# Altium PCB MAIN_BOARD.PcbDoc (part 2 of 4) (continued)
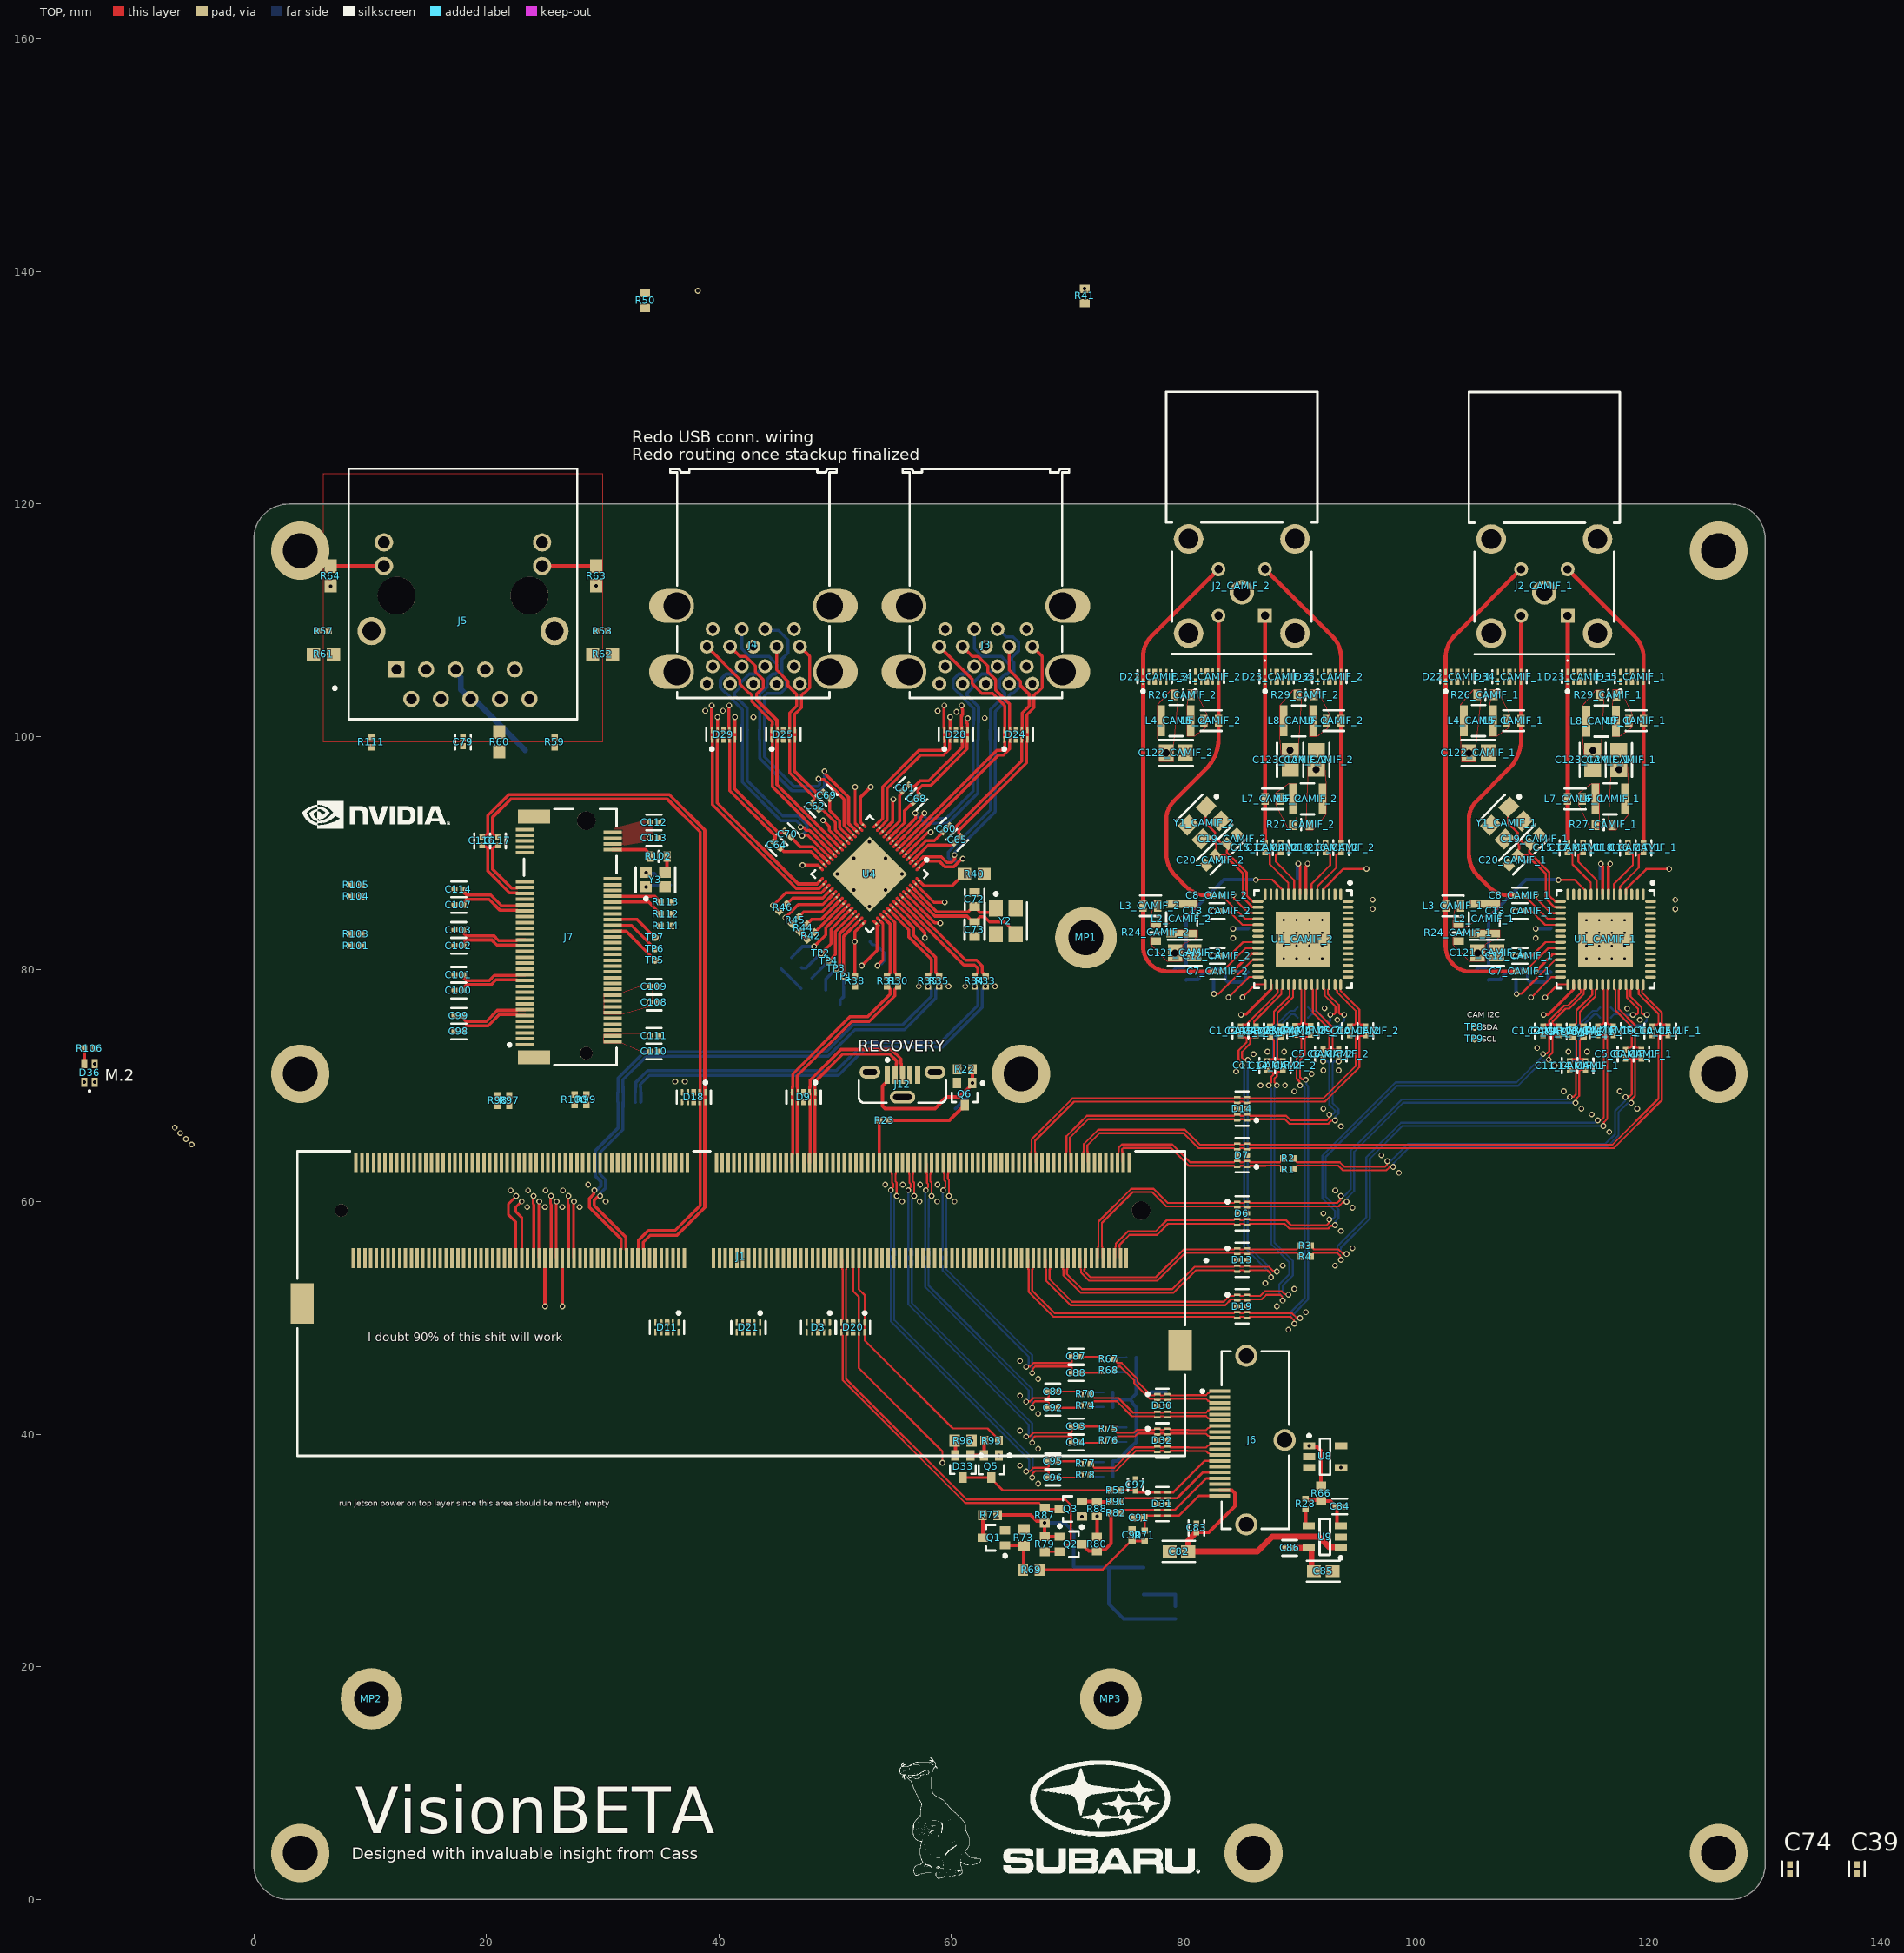
[diagram p0: TOP view]
## Part data (continued)
D33: library part CMP-1055-00557-1, "Dual Series Cathode Schottky Barrier Diodes, 3-Pin SOT-323, Pb-Free, Tape and Reel", Manufacturer="On Semiconductor", ComponentLink1Description="Manufacturer URL", ComponentLink1URL=http://www.onsemi.com/, ComponentLink2Description=Datasheet, ComponentLink2URL=http://www.onsemi.cn/pub_link/Collateral/BAT54CWT1-D.PDF, ComponentLink3Description="Package Specification", ComponentLink3URL=http://www.onsemi.com/pub_link/Collateral/419-04.PDF, Configuration="Common Cathode", DatasheetVersion="Rev. 7", IFSM Max (A)=0.6, Mounting Technology="Surface Mount", PackageDescription="3-Pin Small Outline Transistor, Body 2 x 1.25 mm, Pitch 0.65 mm", PackageReference=SOT-323-3-419-04, PackageVersion="Rev. N, 11/2008", Packing="Tape and Reel", PartNumber=BAT54CWT1G, RoHS=TRUE, trr Max (ns)=5
D36: library part CMP-004-00034-2, "Led, Red/Grn, 180Mcd/230Mcd, 624Nm/525Nm Rohs Compliant: Yes"
FB1 FB2 FB3 FB4 FB5 FB6 FB7 FB8: library part CMP-0686-00252-4, "Chip Ferrite Bead, 0402, 600Ω @ 100MHz, 0.23Ω, 25%, 900mA", Case Code (Imperial)=0402, Case Code (Metric)=1005, Current Rating=900mA, DC Resistance (DCR)=230mR, Max Operating Temperature=125°C, Min Operating Temperature=-55°C, Package Quantity=10000, Test Frequency=100MHz, Tolerance=25%, Case/Package=0402, Height=0.5mm, Impedance=600R, Lead Free="Lead Free", Length=1mm, Material=Steel, Max Current Rating=900mA, Max DC Current=900mA, Number of Circuits=1, Number of Lines=1, Number of Pins=2, Packaging="Tape and Reel", Termination=SMD/SMT, Width=0.5mm
J1: library part CMP-03356-000001-1, "DDR4 SODIMM 260P 9.2H STD", Current Rating=0.5A, Manufacturer="TE Connectivity", Package=0, Temperature="-55°C to +85°C", Temperature Range High=+85°C, Temperature Range Low=-55°C, Voltage Rating=25V, Automotive=No, Category=Conn, ComponentLink2Description=Datasheet, ComponentLink2URL=https://www.te.com/commerce/DocumentDelivery/DDEController?Action=showdoc&DocId=Specification+Or+Standard%7F108-115122%7FA1%7Fpdf%7FEnglish%7FENG_SS_108-115122_A1.pdf%7F2309413-1, Conn Orientation=Horizontal, Contact Material=Gold,Nickel, Device Class L1=Connectors, Device Class L2="Memory Connectors", Device Class L3=unset, Digikey Description="DDR4 SODIMM 260P 9.2H STD", Footprint Url=https://www.te.com/commerce/DocumentDelivery/DDEController?Action=showdoc&DocId=Customer+Drawing%7F2309413%7F4%7Fpdf%7FEnglish%7FENG_CD_2309413_4.pdf%7F2309413-1, Height=18.8mm, Is Female=yes, Lead Free=Yes, Manufacturer Part Number=2309413-1, Memory Type=SDRAM,DDR, Mouser Description="Conn DDR4 DIMM Socket SKT 260 POS 0.5mm Solder RA SMD T/R", Number of Contacts=260, Octopart=https://octopart.com/2309413-1-te+connectivity-84799194, Pitch=0.5mm, RoHS=TRUE
J2_CAMIF_1 J2_CAMIF_2: library part CMP-002-00085-1, "Connector RF Mini-FAKRA Plug 9GHz 50Ohm Solder Right Angle Through Hole"
J3 J4: library part CMP-1502-03222-3, Color=Blue, Contact Resistance=50mΩ, Current Rating=1.8A, Flammability Rating="UL94 V-0", Insulation Resistance=100MΩ, Max Operating Temperature=85°C, Min Operating Temperature=-40°C, Operating Supply Voltage=30V, Connector Type=USB, Contact Material="Bronze, Gold, Nickel", Contact Plating=Gold, Features=Shielded, Gender=Receptacle, Height=16.335mm, Lead Free="Lead Free", Length=15.59mm, Mount="Horizontal, Through Hole", NexarPartId=19667819, Number of Contacts=18, Number of Pins=18, Number of Ports=2, Orientation="Right Angle", REACH SVHC=Unknown, RoHS=Compliant, Termination="Through Hole", Usb Standard="USB 3.0", Voltage Rating=30V, Voltage Rating (AC)=30V, Width=19.7mm
J5: library part CMP-27893-000001-1, "RJ45 JACK W/MAG 1X1 1000BASE-T", Manufacturer=Abracon, Package=0, Temperature="-40°C to +85°C", Temperature Range High=+85°C, Temperature Range Low=-40°C, Automotive=No, Category=Conn, ComponentLink2Description=Datasheet, ComponentLink2URL=https://abracon.com/Magnetics/ARJM11.pdf, Conn Gender=Female, Conn Orientation="Right Angle", Contact Material=Gold, Device Class L1=Connectors, Device Class L2="Modular / Ethernet Connectors", Device Class L3=unset, Digikey Description="RJ45 JACK W/MAG 1X1 1000BASE-T", Height=15.8mm, Is Female=yes, Lead Free=Yes, Manufacturer Part Number=ARJM11C7-502-AB-ER2-T, Number of Contacts=10, Octopart=https://octopart.com/arjm11c7-502-ab-er2-t-abracon-86945316, Pitch=1.27mm, RoHS=TRUE, Shielding=true
J6: library part CMP-04768-000010-1, "HDMI REC.VERTICAL SMT TYPE W/HEI", RoHS Compliant=Yes
J7: library part CMP-03365-000001-1, "CONN EDGE DUAL FMALE 67POS 0.020", Current Rating=0.5A, Manufacturer=TE, Temperature="-40°C to +80°C", Temperature Range High=+80°C, Temperature Range Low=-40°C, Voltage Rating=50V, Automotive=No, Category=Conn, ComponentLink2Description=Datasheet, ComponentLink2URL=http://www.te.com/commerce/DocumentDelivery/DDEController?Action=showdoc&DocId=Specification+Or+Standard%7F114-115006%7FB%7Fpdf%7FEnglish%7FENG_SS_114-115006_B_114-115006_REV_B.pdf%7F1-2199230-6, Conn Gender=Female, Conn Orientation="Right Angle", Contact Material=Gold,Tin, Device Class L1=Connectors, Device Class L2="Card Edge Connectors", Device Class L3=unset, Digikey Description="CONN EDGE DUAL FMALE 67POS 0.020", Footprint Url=http://www.te.com/commerce/DocumentDelivery/DDEController?Action=showdoc&DocId=Customer+Drawing%7F2199230%7FB2%7Fpdf%7FEnglish%7FENG_CD_2199230_B2.pdf%7F1-2199230-6, Height=4.2mm, Is Female=yes, Lead Free=Yes, Manufacturer Part Number=1-2199230-6, Number of Contacts=67, Number of Rows=2, Octopart=https://octopart.com/1-2199230-6-te+connectivity-34969376, Package=1-2199230-6, Pitch=0.5mm, RoHS=TRUE
J12: library part CMP-2000-05829-1, "Micro-USB B Receptacle, Vertical, -30 to 85 degC, 5-Pin SMD, RoHS, Tape and Reel", Color=Black, Current Rating=1.8A, Flammability Rating=UL94V-0, Manufacturer=Molex, Package Description="5-Pin Surface Mount Device, Pitch 0.65 mm", Package Version="Rev. C, 11/2015", Voltage - Max=30V, Voltage Rating=30VAC, Brand=Molex, Connector Type=MicroUSBTypeBReceptacle, Contact Material=CopperAlloy, Contact Plating=Gold, Datasheet URL=http://www.molex.com/webdocs/datasheets/pdf/en-us/1051330001_IO_CONNECTORS.pdf, Datasheet Version=03/2016, Factory Pack Quantity=6000, Gender=Receptacle, Manufacturer URL=http://www.molex.com/, Mounting Angle=Vertical, Mounting Style=SMD/SMT, Mounting Technology=SurfaceMount, Number of Ports=1, Package Reference=105133-0001, Package URL=http://www.molex.com/pdm_docs/sd/1051330001_sd.pdf, Packaging=Reel, PartNumber=105133-0001, Product=MicroUSBTypeBConnectors, Product Category=USBConnectors, RoHS=Details, Series=105133, Standard=USB, Termination Style=SolderTail
L2_CAMIF_1 L2_CAMIF_2 L4_CAMIF_1 L4_CAMIF_2 L6_CAMIF_1 L6_CAMIF_2 L8_CAMIF_1 L8_CAMIF_2: library part CMP-11268-000041-1, "NOT COILCRAFT - ACTUAL P# --> ADL32VHC-220M /  - Power Injection Chokes for PoC", Ambient Temperature Range High=+125°C, Ambient Temperature Range Low=-40°C, Inductance=22uH, Manufacturer=coilcraft, Manufacturer Part Number=1210POC-223MRC, Package=1210POC, Rms Current=700mA, Saturation Current=720mA, Self Resonant Frequency=70MHz, Series Resistance=0.88Ω, Test Frequency=100kHz, Tolerance=20%, Automotive=Yes, Automotive Grade="Grade 1", Category=Ind, ComponentLink2Description=Datasheet, ComponentLink2URL=https://drive.google.com/open?id=15FlOq8Y4YbRFohfA_cJ40jgnqs8va2Mh, Core Material=Ferrite, Device Class L1="Passive Components", Device Class L2=Inductors, Device Class L3="Fixed Inductors", Height=3mm, Lead Free=Yes, Octopart=https://octopart.com/1210poc-223mrc-coilcraft-103207315, RoHS=TRUE
L3_CAMIF_1 L3_CAMIF_2 L5_CAMIF_1 L5_CAMIF_2 L7_CAMIF_1 L7_CAMIF_2 L9_CAMIF_1 L9_CAMIF_2: library part CMP-11268-000007-1, "Fixed Inductors PFL1609 Low Profile 0.56 uH 20 % 1.4 A", Ambient Temperature Range High=+105°C, Ambient Temperature Range Low=-40°C, Inductance=0.56uH, Manufacturer=coilcraft, Package=PFL1609, Rms Current=1100mA, Saturation Current=710mA, Self Resonant Frequency=600MHz, Series Resistance=130mΩ, Test Frequency=7.9MHz, Tolerance=20%, Automotive=Yes, Automotive Grade="Grade 1", Category=Ind, ComponentLink2Description=Datasheet, ComponentLink2URL=https://www.coilcraft.com/pdfs/pfl1609.pdf, Composition=Wirewound, Core Material=Composite, Device Class L1="Passive Components", Device Class L2=Inductors, Device Class L3="Fixed Inductors", Height=0.95mm, Lead Free=Yes, Manufacturer Part Number=PFL1609-561MEW, Mouser Description="Fixed Inductors PFL1609 Low Profile 0.56 uH 20 % 1.4 A", Octopart=https://octopart.com/pfl1609-561mew-coilcraft-20329171, RoHS=TRUE, Shielding=true
MP1 MP2 MP3: library part CMP-03913-59774857-1, "9774025243R Spacer Material: Steel, Tin-Plated Mounting: SMT Series: WA-SMST Thread D: M2", Max Operating Temperature=150°C, Min Operating Temperature=-55°C, Height=2.5mm, Length=2.5mm, Material=Steel, NexarPartId=59774857, Outside Diameter=4.3434mm, Packaging="Tape and Reel", Plating=Tin, REACH SVHC=Unknown, RoHS=Compliant, Threaded/Unthreaded=Threaded
Q1 Q2 Q3 Q4 Q5 Q6: library part CMP-2000-05968-1, "N-Channel Enhancement Mode Mosfet, 50 V, 200 mA, -55 to 150 degC, 6-Pin SOT-323, RoHS, Tape and Reel", Id - Continuous Drain Current=200mA, Manufacturer=DiodesIncorporated, Maximum Operating Temperature=+150C, Minimum Operating Temperature=-55C, Package / Case=SOT-323-3, Package Description="3-Pin Small Outline Transistor, Body 2 x 1.25 mm, Pitch 0.65 mm", Package Reference=SOT323, Pd - Power Dissipation=200mW, Rds On - Drain-Source Resistance=1.4Ohms, Vds - Drain-Source Breakdown Voltage=75V, Vgs - Gate-Source Voltage=20V, Brand=DiodesIncorporated, Channel Mode=Enhancement, Configuration=Single, Datasheet URL=http://www.diodes.com/_files/datasheets/ds30206.pdf, Datasheet Version="Rev. 11-2, 09/2013", Factory Pack Quantity=3000, Forward Transconductance - Min=0.1S, Height=1mm, Length=2.2mm, Manufacturer URL=http://www.diodes.com/, Mounting Style=SMD/SMT, Mounting Technology=SurfaceMount, Number of Channels=1Channel, Packaging=Reel, Product=MOSFETSmallSignal, Product Category=MOSFET, RoHS=True, Series=BSS138, Technology=Si, Transistor Polarity=N-Channel, Transistor Type=1N-Channel, Type=EnhancementModeFieldEffectTransistor, Typical Turn-Off Delay Time=20ns, Typical Turn-On Delay Time=20ns, Unit Weight=0.000212oz, Width=1.35mm
R1 R2 R3 R4 R5_CAMIF_1 R5_CAMIF_2 R6_CAMIF_1 R6_CAMIF_2 R7_CAMIF_1 R7_CAMIF_2 R8_CAMIF_1 R8_CAMIF_2 R14_CAMIF_1 R14_CAMIF_2 R23 R28 R30 R31 R33 R34 R35 R36 R38 R42 R44 R45 R46 R53 R54 R55 R57 R58 R59 R67 R68 R70 R71 R74 R75 R76 R77 R78 R82 R90 R97 R98 R99 R100 R101 R103 R104 R105 R106 R108 R109 R111 R112 R113 R114: library part CMP-009-00206-2, "READ THE NAME"
R9_CAMIF_1 R9_CAMIF_2 R17_CAMIF_1 R17_CAMIF_2 R21_CAMIF_1 R21_CAMIF_2 R22 R32 R37 R39 R43 R48 R51 R52 R66 R72 R79 R87 R95: library part CMP-1012-00623-3, "Chip Resistor, 10 KOhm, +/- 1%, 0.1 W, -55 to 155 degC, 0603 (1608 Metric), RoHS, Tape and Reel", Case Code (Imperial)=0603, Case Code (Metric)=1608, Manufacturer=Panasonic, Max Operating Temperature=155degC, Max Power Dissipation=100mW, Min Operating Temperature=-55degC, Package Description="2-Pin Surface Mount Device, Body 1.6 x 0.85 mm", Package Quantity=1, Package Reference=603, Resistance=10KOhm, Temperature Coefficient=100ppm\/degreesC, Tolerance=1%, Voltage Rating=75V, Case\/Package=0603, Composition=ThickFilm, Contact Plating=Tin, Datasheet URL=https://industrial.panasonic.com/cdbs/www-data/pdf/RDA0000/AOA0000C304.pdf, Datasheet Version=02/2017, Depth=0.8mm, Height=0.45mm, Lead Free=LeadFree, Length=1.6mm, Manufacturer URL=http://www.panasonic.com/, Military Standard=Not, Mount=SurfaceMount, Mounting Technology=SurfaceMount, Number of Pins=2, Number of Terminations=2, Packaging=TapeandReel, Power Rating=100mW, Radiation Hardening=No, REACH SVHC=NoSVHC, RoHSCompliant=true, Termination=SMD/SMT, Voltage Rating (DC)=75V, Width=0.031inch
R10_CAMIF_1 R10_CAMIF_2 R11_CAMIF_1 R11_CAMIF_2 R18_CAMIF_1 R18_CAMIF_2 R19_CAMIF_1 R19_CAMIF_2: library part CMP-2000-00538-1, Manufacturer=Panasonic, Part Number=ERJ-3EKF49R9V
R12_CAMIF_1 R12_CAMIF_2 R13_CAMIF_1 R13_CAMIF_2: library part CMP-2000-00651-1, Manufacturer=Panasonic, Part Number=ERJ-3EKF8062V
R15_CAMIF_1 R15_CAMIF_2 R16_CAMIF_1 R16_CAMIF_2: library part CMP-2000-00323-1, Manufacturer=Panasonic, Part Number=ERJ-3EKF2052V
R20_CAMIF_1 R20_CAMIF_2: library part CMP-2000-00484-1, Manufacturer=Panasonic, Part Number=ERJ-3EKF4020V
R24_CAMIF_1 R24_CAMIF_2 R26_CAMIF_1 R26_CAMIF_2 R27_CAMIF_1 R27_CAMIF_2 R29_CAMIF_1 R29_CAMIF_2: library part CMP-2000-00540-8, "RES SMD 5.1K OHM 1% 1/10W 0603", Case Code (Imperial)=0603, Case Code (Metric)=1608, Max Operating Temperature=155°C, Max Power Dissipation=100mW, Min Operating Temperature=-55°C, Package Quantity=1, Resistance=5.1kR, Resistance Tolerance=1%, Resistor Type="Thick Film", Temperature Coefficient=100ppm/°C, Voltage Rating=75V, Case/Package=0603, Construction=Rectangular, Contact Plating=Tin, Depth=0.8mm, Features="Automotive AEC-Q200", Height=0.022inch, Lead Free="Lead Free", Length=1.6mm, Military Standard=Not, Mount="Surface Mount", Number of Terminations=2, Packaging="Tape and Reel", Power Rating=100mW, Radiation Hardening=No, Reach SVHC Compliant=Yes, RoHS Compliant=Yes, Series=ERJ, Size Code=0603, Termination=SMD/SMT, Tolerance=1%, Voltage Rating (DC)=75V, Weight=7.1E-05oz, Width=0.8mm
R25 R63 R64 R107: library part CMP-2000-00213-2, "Chip Resistor, 120 Ohm, +/- 1%, 0.1 W, -55 to 155 degC, 0603 (1608 Metric), RoHS, Tape and Reel", Case Code (Imperial)=0603, Case Code (Metric)=1608, Manufacturer=Panasonic, Max Operating Temperature=155degC, Max Power Dissipation=100mW, Min Operating Temperature=-55degC, Package Description="2-Pin Surface Mount Device, Body 1.6 x 0.85 mm", Package Quantity=1, Resistance=120Ohm, Temperature Coefficient=100ppm/degreesC, Tolerance=1%, Voltage Rating=75V, Case/Package=0603, Composition=ThickFilm, Contact Plating=Tin, Datasheet URL=https://industrial.panasonic.com/cdbs/www-data/pdf/RDA0000/AOA0000C283.pdf, Datasheet Version=42095.0, Depth=0.8mm, Height=0.022inch, Lead Free=LeadFree, Length=1.6mm, Manufacturer URL=http://www.panasonic.com/, Military Standard=Not, Mount=SurfaceMount, Number of Pins=2, Number of Terminations=2, Package Reference=0603, Package URL=http://www.st.com/st-web-ui/static/active/en/resource/technical/document/datasheet/CD00001320.pdf, Packaging=TapeandReel, Power Rating=100mW, Radiation Hardening=No, REACH SVHC=NoSVHC, RoHSCompliant=true, Termination=SMD/SMT, Voltage Rating (DC)=75V, Width=0.031inch
R40: library part CMP-1012-00631-3, "Chip Resistor, 12 KOhm, +/- 1%, 0.1 W, -55 to 155 degC, 0603 (1608 Metric), RoHS, Tape and Reel", Case Code (Imperial)=0603, Case Code (Metric)=1608, Manufacturer=Panasonic, Max Operating Temperature=155degC, Max Power Dissipation=100mW, Min Operating Temperature=-55degC, Package Description="2-Pin Surface Mount Device, Body 1.6 x 0.85 mm", Package Quantity=1, Resistance=12KOhm, Temperature Coefficient=100ppm/degreesC, Tolerance=1%, Voltage Rating=75V, Case/Package=0603, Composition=ThickFilm, Contact Plating=Tin, Datasheet URL=https://industrial.panasonic.com/cdbs/www-data/pdf/RDA0000/AOA0000C283.pdf, Datasheet Version=42095.0, Depth=0.8mm, Height=0.022inch, Lead Free=LeadFree, Length=1.6mm, Manufacturer URL=http://www.panasonic.com/, Military Standard=Not, Mount=SurfaceMount, Number of Pins=2, Number of Terminations=2, Package Reference=0603, Package URL=http://www.st.com/st-web-ui/static/active/en/resource/technical/document/datasheet/CD00001320.pdf, Packaging=TapeandReel, Power Rating=100mW, Radiation Hardening=No, REACH SVHC=NoSVHC, RoHSCompliant=true, Termination=SMD/SMT, Voltage Rating (DC)=75V, Weight=7.1E-05oz, Width=0.031inch
R41 R50: library part CMP-2000-00180-1, Manufacturer=Panasonic, Part Number=ERJ-3EKF1001V
R47 R49: library part CMP-2000-00319-2, "RES SMD 200K OHM 1% 1/10W 0603", Case Code (Imperial)=0603, Case Code (Metric)=1608, Max Operating Temperature=155°C, Max Power Dissipation=100mW, Min Operating Temperature=-55°C, Package Quantity=1, Resistance=200kR, Resistance Tolerance=1%, Resistor Type="Thick Film", Temperature Coefficient=100ppm/°C, Voltage Rating=75V, Voltage Rating (DC)=50V, Case/Package=0603, Construction=Rectangular, Contact Plating=Tin, Depth=0.8mm, Features="Automotive AEC-Q200", Height=0.022inch, Lead Free="Lead Free", Length=1.6mm, Military Standard=Not, Mount="Surface Mount", Number of Terminations=2, Packaging="Cut Tape", Power Rating=100mW, Radiation Hardening=No, REACH SVHC="No SVHC", RoHS Compliant=Yes, Series=ERJ, Technology="THICK FILM", Termination=SMD/SMT, Tolerance=1%, Width=0.031inch, Working Voltage=75V
R60 R61 R62: library part CMP-009-00209-1, "READ THE NAME"
R65 R69 R73 R96: library part CMP-2000-00182-1, Manufacturer=Panasonic, Part Number=ERJ-3EKF1003V
R80 R88: library part CMP-2000-00389-1, Manufacturer=Panasonic, Part Number=ERJ3EKF2701V
R81 R83 R84 R85 R86 R89 R91 R92: library part CMP-2002-00965-2, "RES SMD 499 OHM 1% 1/10W 0402", Case Code (Imperial)=0402, Case Code (Metric)=1005, Max Operating Temperature=155°C, Max Power Dissipation=100mW, Min Operating Temperature=-55°C, Package Quantity=1, Resistance=499R, Resistance Tolerance=1%, Resistor Type="Thick Film", Temperature Coefficient=100ppm/°C, Voltage Rating=50V, Case/Package=0402, Construction=Rectangular, Contact Plating=Tin, Depth=0.5mm, Features="Automotive AEC-Q200", Height=0.35mm, Lead Free="Lead Free", Length=1mm, Military Standard=Not, Mount="Surface Mount", Number of Terminations=2, Packaging="Tape and Reel", Power Rating=100mW, REACH SVHC="No SVHC", RoHS Compliant=Yes, Series=ERJ, Size Code=0402, Technology="THICK FILM", Termination=SMD/SMT, Tolerance=1%, Voltage Rating (DC)=50V, Width=0.02inch
R93: library part CMP-2000-00542-1, Manufacturer=Panasonic, Part Number=ERJ3EKF5103V
R102: library part CMP-2000-00443-2, "RES SMD 33 OHM 1% 1/10W 0603", Case Code (Imperial)=0603, Case Code (Metric)=1608, Max Operating Temperature=155°C, Max Power Dissipation=100mW, Min Operating Temperature=-55°C, Package Quantity=1, Resistance=33R, Resistance Tolerance=1%, Resistor Type="Thick Film", Temperature Coefficient=100ppm/°C, Voltage Rating=75V, Case/Package=0603, Construction=Rectangular, Contact Plating=Tin, Depth=0.8mm, Features="Automotive AEC-Q200", Height=0.022inch, Lead Free="Lead Free", Length=1.6mm, Military Standard=Not, Mount="Surface Mount", Number of Pins=2, Number of Terminations=2, Packaging="Tape and Reel", Power Rating=100mW, Radiation Hardening=No, REACH SVHC="No SVHC", RoHS Compliant=Yes, Series=ERJ, Size Code=0603, Termination=SMD/SMT, Tolerance=1%, Voltage Rating (DC)=75V, Width=0.031inch
TP1 TP2 TP3 TP4 TP5 TP6 TP7 TP8 TP9: library part CMP-00028-00002-2, "0.6mm round", Pins=1
U1_CAMIF_1 U1_CAMIF_2: library part CMP-015-00011-2, "Quad Tunneling GMSL2/1 to CSI-2 Deserializer"
U2_CAMIF_1 U2_CAMIF_2 U11: library part CMP-0244-00308-1, "Fixed Low Drop Positive Voltage Regulator, 1.8V, 4-Pin SOT-223, Tape and Reel", ComponentLink1Description="Manufacturer URL", ComponentLink1URL=http://www.st.com, ComponentLink2Description=Datasheet, ComponentLink2URL=http://www.st.com/internet/com/TECHNICAL_RESOURCES/TECHNICAL_LITERATURE/DATASHEET/CD00000544.pdf, DatasheetVersion=1/11/2011, PackageDescription="4-Pin SOT-223 Package, 6.5 x 3.5 mm Body, 2.3 mm Pitch, 7 mm Lead Span", PackageReference=SOT-223, PackageVersion=2010
U3_CAMIF_1 U3_CAMIF_2 U7: library part CMP-0244-00318-1, "Fixed Low Drop Positive Voltage Regulator, 1.2V (pn is for 1.5A LDO), 4-Pin SOT-223, Tape and Reel", ComponentLink1Description="Manufacturer URL", ComponentLink1URL=http://www.st.com, ComponentLink2Description=Datasheet, ComponentLink2URL=http://www.st.com/internet/com/TECHNICAL_RESOURCES/TECHNICAL_LITERATURE/DATASHEET/CD00000544.pdf, DatasheetVersion=1/11/2011, PackageDescription="4-Pin SOT-223 Package, 6.5 x 3.5 mm Body, 2.3 mm Pitch, 7 mm Lead Span", PackageReference=SOT-223, PackageVersion=2010
U4: library part CMP-06284-000017-1, "IC HUB CTLR USB 56VQFN", Max Operating Temperature=70°C, Min Operating Temperature=0°C, Interface=USB, Lead Free="Lead Free", Packaging=Tray
U5 U6 U8 U9: library part CMP-019-00057-1, "IC PWR SW USB 1CH 1A SOT-25-5"
Y1_CAMIF_1 Y1_CAMIF_2 Y2: library part CMP-2000-05733-3, "Crystal 25MHz ±20ppm (Tol) ±30ppm (Stability) 18pF FUND 60Ω 4-Pin SMD T/R", Case/Package=CSMD, ESR (Equivalent Series Resistance)=60R, Frequency=25MHz, Frequency Stability=30ppm, Frequency Tolerance=20ppm, Load Capacitance=18pF, Max Operating Temperature=85°C, Min Operating Temperature=-40°C, Operating Frequency="25 MHz", Package Quantity=1000, Depth=2.5mm, Height=0.039inch, Lead Free="Lead Free", Length=3.2mm, Mount="Surface Mount", Number of Pins=4, Packaging="Tape and Reel", Radiation Hardening=No, Series=ABM8G, Series Resistance=60R, Termination=SMD/SMT, Tolerance=20ppm, Width=0.098inch
Y3: library part CMP-27762-001115-1, "XTAL OSC XO 32.7680KHZ CMOS SMD", Case/Package=CSMD, Frequency=32.768kHz, Frequency Stability=25ppm, Load Capacitance=15pF, Max Operating Temperature=85°C, Max Supply Current=3.5mA, Min Operating Temperature=-40°C, Min Supply Voltage=2.97V, Operating Supply Voltage=3.3V, Depth=2mm, Height=0.037inch, Lead Free="Lead Free", Length=2.5mm, Mount="Surface Mount", Number of Pins=4, Packaging="Tape and Reel", Radiation Hardening=No, Series=ASDK, Termination=SMD/SMT, Width=0.079inch

## Via types
v1: diameter 0.5, hole 0.3, TOP to BOTTOM, 266 vias
v2: diameter 0.5, hole 0.2, TOP to BOTTOM, 32 vias
v3: diameter 5, hole 3, TOP to BOTTOM, 8 vias
v4: diameter 1, hole 0.6, TOP to BOTTOM, 8 vias

## Nets (pads, with @x,y where several pads share a name; then routed paths per layer and width w, separated by ;. In a path a pad name is that pad's centre, name@x,y a point inside that pad or via, vN(x,y) a via of type N, cw(c..) or ccw(c..) an arc to the next point about the centre after c; other vN are vias at no path point)
2V_AUX: C42_CAMIF_1.2 C42_CAMIF_2.2 C43_CAMIF_1.2 C43_CAMIF_2.2 C78.2 R55.1 U2_CAMIF_1.3 U2_CAMIF_2.3 U3_CAMIF_1.3 U3_CAMIF_2.3 U7.3
3V3: C33_CAMIF_1.1 C33_CAMIF_2.1 C34_CAMIF_1.2 C34_CAMIF_2.2 C55.2 C56.2 C57.2 C58.2 C81.2 C104.1 C105.1 C106.1 C108.2 C109.2 C110.2 C111.2 C112.2 C113.2 C115.2 C125.2 D36.2 J7.2 J7.4 J7.12 J7.14 J7.16 J7.18 J7.70 J7.72 J7.74 R9_CAMIF_1.2 R9_CAMIF_2.2 R12_CAMIF_1.2 R12_CAMIF_2.2 R13_CAMIF_1.2 R13_CAMIF_2.2 R17_CAMIF_1.2 R17_CAMIF_2.2 R21_CAMIF_1.2 R21_CAMIF_2.2 R32.2 R37.2 R48.2 R51.2 R63.2 R64.2 R108.1 U1_CAMIF_1.24 U1_CAMIF_2.24 U4.16 U4.31 U4.44 U4.55 Y3.4 | length 45.1
  TOP w0.254: v1(44.667,85.493) 45.751,86.577 48.829,86.577 U4.31@49.29,87.037 ; v1(51.725,95.665) 51.725,92.538 U4.16@52.118,92.145 ; v1(53.65,80.31) 54.114,80.774 54.114,83.927 53.93,84.111 ; U4.55@56.935,87.328 58.511,85.752 v1(59.439,85.752) ; v1(84.245,79.825) 85.745,81.325 U1_CAMIF_2.24@86.37,81.325 ; v1(110.269,79.817) 111.769,81.317 U1_CAMIF_1.24@112.394,81.317
  BOTTOM w0.254: R32.2@45.331,80.083 R48.2@46.206,79.208 R51.2@47.081,78.333 ; R37.2@53,82.377 53,82.347 53.248,82.099 53.553,82.099 54.25,81.402 54.25,80.727 53.976,80.453 53.759,80.453 53.65,80.344 v1(53.65,80.31)
  BOTTOM w0.3: v1(33.737,88.313) 33.819,88.231 34.469,88.231 R108.1@34.55,88.15 ; R9_CAMIF_2.2@80.195,79.075 80.245,79.125 81.22,79.125 R12_CAMIF_2.2@81.27,79.175 81.27,79.25 82.02,80 83.245,80 83.57,79.675 83.57,79.1 83.795,78.875 R17_CAMIF_2.2@83.845,78.875 R21_CAMIF_2.2@85.046,78.875 85.096,78.875 85.321,79.1 85.321,79.676 C33_CAMIF_2.1@85.438,79.794 ; v1(84.245,79.825) 84.276,79.794 C33_CAMIF_2.1@85.438,79.794 ; C33_CAMIF_2.1@85.52,79.762 85.488,79.794 C33_CAMIF_2.1@85.438,79.794 ; R9_CAMIF_1.2@106.219,79.067 106.269,79.117 107.244,79.117 R12_CAMIF_1.2@107.294,79.167 107.294,79.242 108.044,79.992 109.269,79.992 109.594,79.667 109.594,79.092 109.819,78.867 R17_CAMIF_1.2@109.869,78.867 R21_CAMIF_1.2@111.07,78.867 111.12,78.867 111.345,79.092 111.345,79.668 C33_CAMIF_1.1@111.463,79.786 ; v1(110.269,79.817) 110.3,79.786 C33_CAMIF_1.1@111.463,79.786 ; C33_CAMIF_1.1@111.544,79.755 111.513,79.786 C33_CAMIF_1.1@111.463,79.786
  other v1: -13.675,71.875 34.053,74.27 34.06,77.131 34.057,91.275 6.6,112.942 29.45,112.975
3V3_AUX: R54.1 U8.5
5V_AUX: C59.1 C71.1 R43.1 R52.1 U5.5 U6.5
5V_MAIN: C85.1 C86.2 J1.251 J1.252 J1.253 J1.254 J1.255 J1.256 J1.257 J1.258 J1.259 J1.260 U9.5 | length 3.6
  TOP w0.5: C86.2@89.467,30.225 90.975,30.225 90.975,28.443 C85.1@91.193,28.225
ACT_LED: J7.10 R106.1
CAM0_PWDN: J1.116 R14_CAMIF_1.2
CAM1_PWDN: J1.120 R14_CAMIF_2.2
CAM_1V2_CAMIF_1: C25_CAMIF_1.1 C26_CAMIF_1.2 C27_CAMIF_1.1 C28_CAMIF_1.2 C35_CAMIF_1.1 C36_CAMIF_1.2 C41_CAMIF_1.1 U1_CAMIF_1.30 U1_CAMIF_1.55 U1_CAMIF_1.56 U3_CAMIF_1.2 U3_CAMIF_1.4 | length 3.9
  TOP w0.254: v1(110.944,76.067) 110.986,76.109 111.361,76.109 113.519,78.267 U1_CAMIF_1.30@113.519,78.692
  other v1: 122.269,85.167 122.269,85.967
CAM_1V2_CAMIF_2: C25_CAMIF_2.1 C26_CAMIF_2.2 C27_CAMIF_2.1 C28_CAMIF_2.2 C35_CAMIF_2.1 C36_CAMIF_2.2 C41_CAMIF_2.1 U1_CAMIF_2.30 U1_CAMIF_2.55 U1_CAMIF_2.56 U3_CAMIF_2.2 U3_CAMIF_2.4 | length 3.9
  TOP w0.254: v1(84.92,76.075) 84.962,76.117 85.337,76.117 87.495,78.275 U1_CAMIF_2.30@87.495,78.7
  other v1: 96.245,85.175 96.245,85.975
CAM_1V8_CAMIF_1: C29_CAMIF_1.1 C30_CAMIF_1.2 C31_CAMIF_1.1 C32_CAMIF_1.2 C40_CAMIF_1.1 U1_CAMIF_1.7 U1_CAMIF_1.21 U2_CAMIF_1.2 U2_CAMIF_1.4 | length 2.7
  TOP w0.254: U1_CAMIF_1.7@116.519,86.442 116.519,88.851 116.669,89.001 v1(116.669,89.067)
  other v1: 110.269,82.667
CAM_1V8_CAMIF_2: C29_CAMIF_2.1 C30_CAMIF_2.2 C31_CAMIF_2.1 C32_CAMIF_2.2 C40_CAMIF_2.1 U1_CAMIF_2.7 U1_CAMIF_2.21 U2_CAMIF_2.2 U2_CAMIF_2.4 | length 2.7
  TOP w0.254: U1_CAMIF_2.7@90.495,86.45 90.495,88.858 90.645,89.008 v1(90.645,89.075)
  other v1: 84.245,82.675
CAM_I2C_SCL: D18.4 D18.7 J1.213 R21_CAMIF_1.1 R21_CAMIF_2.1 TP9.1 U1_CAMIF_1.29 U1_CAMIF_2.29 | length 84.8
  TOP w0.168: v1(85.046,77.575) 86.171,78.7 U1_CAMIF_2.29@86.995,78.7 ; v1(111.07,77.567) 112.195,78.692 U1_CAMIF_1.29@113.019,78.692
  GND/INT_SIG_2 w0.3: v1(37.075,70.342) 41.483,74.75 82.221,74.75 v1(85.046,77.575) 94.425,77.575 98,74 107.503,74 v1(111.07,77.567)
  other v1: 105,74